# KiCad board RASBB.kicad_pcb (continued)
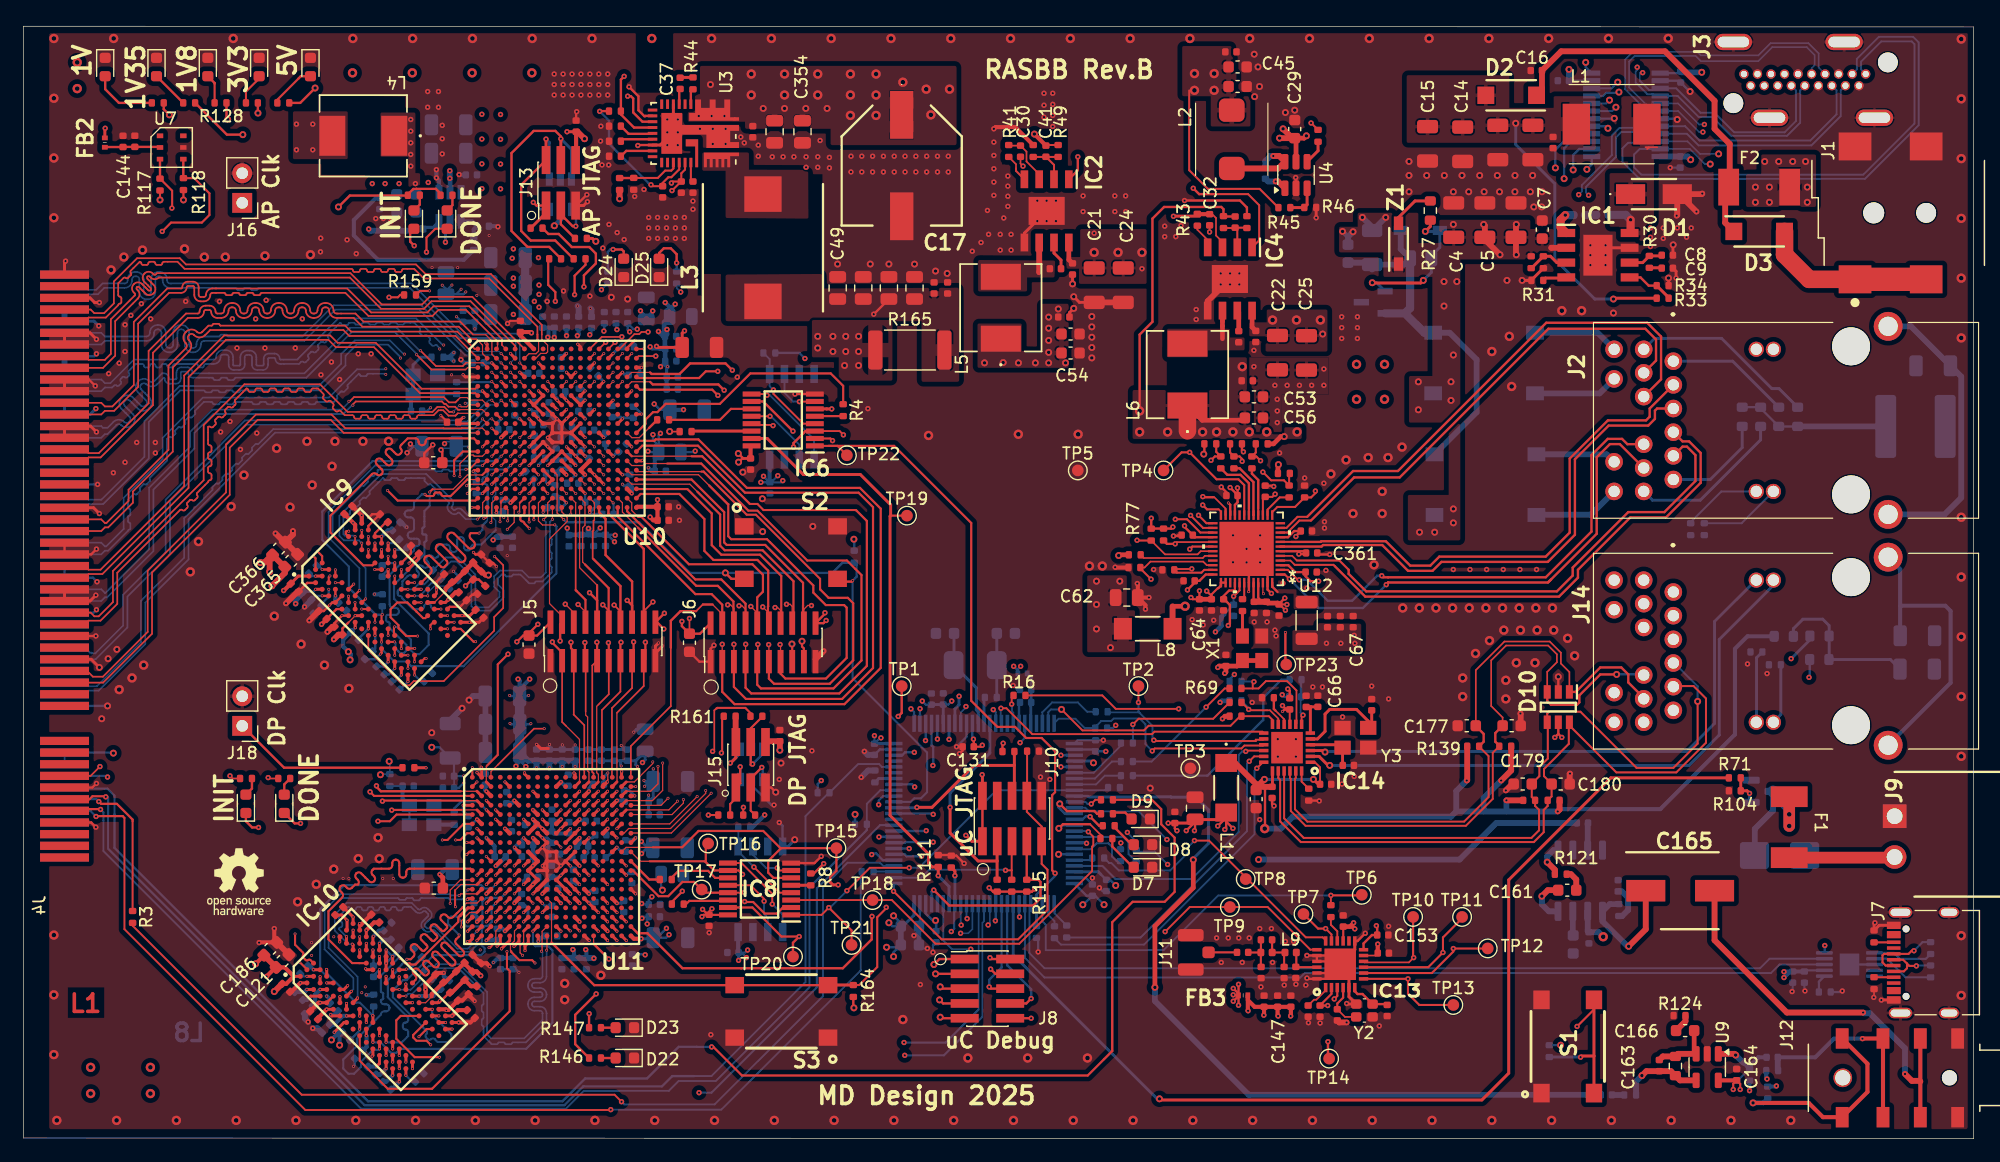
[diagram p0: board, top side]
## Routing (per net, layer and track width the routed paths; a pad name or vN(x,y) marks a point on that pad's centre or on a via; arc(x,y) is an arc through that point) (continued)
/Ethernet_FPGA/MDI3_N: length 46.2
  Top w0.17: U12.11 108.31,52.39 109.26,53.34 110.09,53.34
  Top w0.2: 110.09,53.34 114.02,57.27 117.87,57.27 130.59,69.98 139.25,69.98 140.43,68.8 140.43,65.13 J2.9
/Ethernet_FPGA/MDI3_P: length 43.1
  Top w0.17: 110.41,53.02 109.42,53.02 108.39,51.99 U12.10
  Top w0.2: J2.8 140,66.74 140,68.55 139.08,69.47 130.77,69.47 118.02,56.72 114.11,56.72 110.41,53.02
/Ethernet_FPGA/RGMII_MDC: length 73.5
  Top w0.177: v4(100.02,50.57) 100.24,50.79 U12.30 ; U11.A1 v2(38.5,31.82)
  In3.Cu w0.177: v4(100.02,50.57) 98.34,50.57 97.08,51.83 89.41,51.83 74.84,37.26 74.16,37.26 71.67,34.77 71.25,34.77 71.12,34.64 58.6,34.64 58.44,34.48 52.12,34.48 51.83,34.77 41.45,34.77 v2(38.5,31.82)
/Ethernet_FPGA/RGMII_MDIO: length 72.9
  Top w0.141: U12.31 100.96,50.39 100.69,50.12 97.9,50.12 R77.2
  Top w0.17: v4(95.5,51.33) 95.53,51.3 R77.2
  Top w0.177: U11.B1 v2(38.9,30.6)
  In3.Cu w0.177: v2(38.9,30.6) 42.47,34.17 71.69,34.17 74.19,36.67 74.98,36.67 89.64,51.33 v4(95.5,51.33)
/Ethernet_FPGA/RGMII_RXC: length 110.3
  Top w0.177: v4(30.41,27.23) 31.43,27.23 32,27.8 U11.E1 ; U12.19 104.69,56.06 104.19,56.56 102.32,56.56 v4(100.01,58.87) 99.32,58.87 TP4.1
  In3.Cu w0.177: 99.63,58.88 84.75,58.88 66.76,40.89 35.8,40.89 27.74,32.83 27.74,28.39 28.88,27.25 30.39,27.25 v4(30.41,27.23)
  In3.Cu w0.2: v4(100.01,58.87) 100,58.88 99.63,58.88
/Ethernet_FPGA/RGMII_RXD0: length 102.7
  Top w0.17: v4(106.29,57.18) 107,56.47 108.09,56.47 R63.1 108.54,57
  Top w0.177: U11.C1 30.08,29.4 v4(29.73,29.75)
  In3.Cu w0.17: v4(106.29,57.18) 102.77,57.18
  In3.Cu w0.177: 102.77,57.18 85.93,57.18 68.01,39.26 45.6,39.26 45.25,38.91 35.79,38.91 29.37,32.49 29.37,30.11 v4(29.73,29.75)
/Ethernet_FPGA/RGMII_RXD1: length 103.1
  Top w0.1: U11.C2 38.9,29.8 37.5,29.8
  Top w0.177: v4(30.28,30.27) 30.28,30.18 30.32,30.14 ; R58.1 105.68,58.85 R64.1 105.72,58.52 v4(106.09,58.15)
  Top w0.2: 30.32,30.14 30.66,29.8 37.5,29.8
  Top w0.25: U11.C2 38.9,29.8
  In3.Cu w0.177: v4(106.09,58.15) 106.29,58.15 106.97,57.47 106.97,56.94 106.75,56.72 86.49,56.72 68.16,38.39 36.03,38.39 30.02,32.38 30.02,30.53 v4(30.28,30.27)
/Ethernet_FPGA/RGMII_RXD2: length 102.9
  Top w0.1: 37.57,29 38.9,29 U11.D2
  Top w0.177: v4(30.79,28.95) 30.84,29 37.57,29 ; v4(104.51,58.1) 104.51,58.3 104.29,58.52 R65.1 103.47,58.85 R61.1
  Top w0.25: U11.D2 38.9,29
  In3.Cu w0.177: v4(30.79,28.95) 29.52,28.95 28.77,29.7 28.77,32.46 36.24,39.93 68.01,39.93 85.71,57.63 104.04,57.63 v4(104.51,58.1)
/Ethernet_FPGA/RGMII_RXD3: length 102
  Top w0.1: 37.57,28.2 38.9,28.2 U11.E2
  Top w0.177: R62.1 102.29,58.91 R66.1 102.17,58.52 v4(101.84,58.19) ; 37.57,28.2 31.61,28.2 v4(31.59,28.18)
  Top w0.25: U11.E2 38.9,28.2
  In3.Cu w0.177: v4(31.59,28.18) 29.48,28.18 28.27,29.39 28.27,32.75 35.89,40.37 67.83,40.37 85.65,58.19 v4(101.84,58.19)
/Ethernet_FPGA/RGMII_RXDV: length 97
  Top w0.1: 39.75,31.99 39.7,31.94 39.7,30.6 U11.B3
  Top w0.17: R60.2 109.05,54.19 107.53,54.19 107.09,53.75
  Top w0.177: R60.2 110.43,55 110.79,55.37 v4(110.79,55.55) ; 39.75,31.99 40.68,32.92 40.68,40.68 v4(41.56,41.56)
  Top w0.25: U11.B3 39.7,30.6
  In3.Cu w0.177: v4(110.79,55.55) 110.79,57.67 108.93,59.53 84.76,59.53 66.99,41.76 41.76,41.76 v4(41.56,41.56)
/Ethernet_FPGA/RGMII_TX_EN: length 80.1
  Top w0.1: U11.G2 v2(38.9,26.6)
  Top w0.17: U12.27 100.93,51.99 99.79,53.13 v4(98.78,53.13)
  Top w0.25: U11.G2 v2(38.9,26.6)
  In3.Cu w0.177: v2(38.9,26.6) 38.14,27.36 38.14,32.32 41.02,35.2 44.12,35.2 44.59,35.67 71.12,35.67 88.13,52.68 97.17,52.68 97.62,53.13 v4(98.78,53.13)
/Ethernet_FPGA/RGMII_TXC: length 94.8
  Top w0.1: U11.F4 v2(40.5,27.4)
  Top w0.2: v2(103.33,54.53) 103.49,54.37 U12.22
  Top w0.25: U11.F4 v2(40.5,27.4)
  In3.Cu w0.2: v2(40.5,27.4) 39.25,26.15 39.25,25.56 38.74,25.05 35.69,25.05 35.05,25.69 35.05,32.85 39.86,37.67 68.77,37.67 86.91,55.81 101.7,55.81 101.72,55.79 102.07,55.79 v2(103.33,54.53)
/Ethernet_FPGA/RGMII_TXD0: length 88.4
  Top w0.141: 103.09,53.96 103.09,54.05 102.12,55.02 102.03,55.02
  Top w0.177: v2(35.93,25.62) 36.37,25.62 37.75,27 U11.F1 ; 102.03,55.02 102,55.02 ; U12.23 103.09,53.96
  Top w0.2: 102,55.02 101.19,55.02 v4(101.14,55.07)
  In3.Cu w0.177: v2(35.93,25.62) 35.59,25.96 35.59,32.23 35.45,32.37 35.45,32.8 39.88,37.23 69.01,37.23 86.85,55.07 v4(101.14,55.07)
/Ethernet_FPGA/RGMII_TXD1: length 85.3
  Top w0.141: 102.45,53.98 102.51,53.98 102.69,53.8
  Top w0.177: 102.45,53.98 101.5,53.98 v4(101.13,54.35) ; v2(37.07,25.62) 37.47,25.62 38.05,26.2 U11.G1
  In3.Cu w0.177: v4(101.13,54.35) 100.9,54.35 100.62,54.63 87.24,54.63 69.48,36.87 40.16,36.87 36,32.71 36,26.72 37.07,25.65 v2(37.07,25.62)
/Ethernet_FPGA/RGMII_TXD2: length 82.9
  Top w0.17: v4(100.77,53.47) 101.45,52.79 U12.25
  Top w0.177: U11.H1 v2(38.02,25.4)
  In3.Cu w0.177: v2(38.02,25.4) 36.83,26.59 36.83,32.58 40.72,36.47 70.06,36.47 87.83,54.24 100,54.24 v4(100.77,53.47)
/Ethernet_FPGA/RGMII_TXD3: length 82.3
  Top w0.1: 38.91,25.79 U11.H2
  Top w0.17: v4(100.09,53.46) 101.16,52.39 U12.26
  Top w0.25: U11.H2 v2(38.9,25.8)
  In3.Cu w0.177: v4(100.09,53.46) 99.73,53.82 88.31,53.82 70.61,36.12 41.43,36.12 37.3,31.99 37.3,27.4 38.91,25.79
/Ethernet_uC/ETH_RESET: length 21.1
  Top w0.16: IC14.15 106.29,33.72 104.7,33.72 104.45,33.47 97.01,33.47 v4(96.8,33.26)
  Bottom w0.16: 91.91,35.31 92.42,35.82 93.27,35.82 93.49,36.04 95.72,36.04 96.22,35.54 96.22,33.84 v4(96.8,33.26) ; IC12.25 88.77,36.02 90.22,36.02 91.02,35.22 R75.2
/Ethernet_uC/LED_GR_ETH: length 49.6
  Top w0.25: IC14.3 111.5,33.29 v1(111.62,33.16)
  Bottom w0.25: v1(111.62,33.16) 111.62,33.22 142.62,33.22 145.02,35.62 145.02,44.37 148.62,47.97
/Ethernet_uC/LED_YL_ETH: length 51.3
  Top w0.25: IC14.2 111.11,32.79 111.88,32.02 v1(112.02,32.02)
  Bottom w0.25: 150.09,47.49 145.42,42.82 145.42,34.62 142.82,32.02 v1(112.02,32.02)
/Ethernet_uC/RMII_CRS_DV: length 10.7
  Top w0.16: v4(95.14,35.53) 95.63,36.02 102.03,36.02 R70.2
  Bottom w0.16: v4(95.14,35.53) R20.1
/Ethernet_uC/RMII_MDC: length 24.8
  Top w0.16: v4(83.83,36.92) 84.3,36.92 86.52,34.7 96.78,34.7 96.99,34.91 106.24,34.91 IC14.13
  Bottom w0.16: 83.81,35.7 83.81,36.9 v4(83.83,36.92)
/Ethernet_uC/RMII_MDIO: length 21.9
  Top w0.16: v1(89.02,36.82) 90.82,35.02 96.09,35.02 96.49,35.42 103.52,35.42 104.34,36.24 ; IC14.12 107.11,35.93 106.8,36.24 R136.1
  Bottom w0.16: IC12.24 87.88,36.58 88.12,36.82 v1(89.02,36.82)
/Ethernet_uC/RMII_REFCLK: length 17.5
  Top w0.16: v4(96.94,34.18) 97.01,34.11 105.68,34.11 105.68,34.22 106.29,34.22 IC14.14 ; TP2.1 v4(95.62,37.42)
  Bottom w0.16: 95.75,36.49 96.82,35.42 96.82,34.3 v4(96.94,34.18) ; 95.75,36.49 95.67,36.57 93.02,36.57 ; 95.75,36.49 95.62,36.62 v4(95.62,37.42)
/Ethernet_uC/RMII_RXD0: length 10.9
  Top w0.16: v4(101.42,37.02) 103.02,38.62 R69.1
  Bottom w0.16: R23.1 96.75,32.35 v4(101.42,37.02)
/Ethernet_uC/RMII_RXD1: length 18
  Bottom w0.2: R24.1 101.54,31.14 106.32,35.92 106.32,37.82 107.87,39.37 108.59,39.37
/Ethernet_uC/RMII_TX_EN: length 25.1
  Top w0.16: v4(104.82,33.22) 104.89,33.29 IC14.16
  Bottom w0.16: v4(104.82,33.22) 104.52,33.22 104.22,32.92 104.22,26.32 100.17,22.27 94.32,22.27
  Bottom w0.177: 94.32,22.27 93.65,22.27 92.53,23.39 IC12.47
/Ethernet_uC/RMII_TXD0: length 26.7
  Top w0.16: IC14.17 105.54,32.79 v4(105.12,32.37)
  Bottom w0.16: v4(105.12,32.37) 104.92,32.17 104.92,26.37 95.81,17.26 R19.1
/Ethernet_uC/RMII_TXD1: length 27.8
  Top w0.16: v4(105.77,31.77) 106.29,32.29
  Bottom w0.16: R17.1 88.97,16.65 96.1,16.65 105.57,26.12 105.57,31.57 v4(105.77,31.77)
/Ethernet_uC/RX_N: length 55.8
  Top w0.139: D10.3 130.67,40.04 131.5,40.87 131.5,41.55 130.75,42.3 127.14,42.3 125.87,41.02 125.87,37.11 126.84,36.13 C178.1
  Top w0.16: R140.1 126,33.1 126,29.15 123.69,26.84 109.95,26.84 108.68,28.11 108.68,30.87 108.61,30.94 IC14.22
  Top w0.2: C178.1 126.22,34.79 126.22,34.05 126.56,33.71 ; v1(136.62,39.82) 135.22,39.82 133.42,38.02 133.42,37.42 133.22,37.22 131,37.22 130.67,37.54 D10.3
  Bottom w0.2: v1(136.62,39.82) 136.62,39.82 138.97,39.82
/Ethernet_uC/RX_P: length 54
  Top w0.139: 124.54,35.42 124.54,40.19 127,42.64 130.89,42.64 131.84,41.69 131.84,40.76 132.57,40.03 D10.1
  Top w0.16: IC14.23 109.11,30.94 109.04,30.87 109.04,28.25 110.09,27.2 123.55,27.2 125.64,29.29 125.64,32.82 124.83,33.63
  Top w0.2: 138.97,37.78 137.62,39.13 137.62,39.82 137.02,40.42 135.22,40.42 133.12,38.32 D10.1 ; R139.1 125.22,34.05 125.22,34.72 124.54,35.39
/Ethernet_uC/TX_N: length 59.9
  Top w0.17: 132.57,35.44 136.59,31.42 141.74,31.42 144.28,33.97 144.28,37.76 143.22,38.82 141.51,38.82 ; 131.04,30.44 130.4,31.09 130.4,31.71 131.75,33.06 131.75,33.09 132.52,33.87 132.52,35.2 132.57,35.25 ; C180.1 131.04,29.35 R142.1 130.71,28.54 130.37,28.2 130.37,26.29 129.52,25.44 109.55,25.44 107.77,27.22 107.77,30.78 107.61,30.94 IC14.20
/Ethernet_uC/TX_P: length 60.9
  Top w0.17: 129.34,30.44 130,31.09 130,31.88 130.72,32.6 130.72,35.32 ; D10.4 130.67,36.46 130.82,36.62 133.52,36.62 138.34,31.8 141.49,31.8 143.57,33.89 v1(143.57,37.51) ; IC14.21 108.11,27.48 109.79,25.8 129.32,25.8 129.97,26.45 129.97,28.2 129.63,28.54 R141.1 129.34,29.3 C179.1
  Bottom w0.17: v1(143.57,37.51) 143.57,38.8 141.51,40.85
/FPGA-01/BANK0/FPGA1_DONE: length 80.1
  Top w0.2: v4(33.52,76.59) 33.17,76.94 33.17,77.72 D13.1
  Top w0.35: U10.P10 v2(46.57,56.94)
  In4.Cu w0.177: v4(85.47,33.97) 85.15,33.97 71.45,47.66 71.45,48 63.76,55.69 61.47,55.69 61.02,56.14 51.85,56.14 51.51,56.48 47.7,56.48 47.37,56.14 v2(46.57,56.94)
  In4.Cu w0.2: v2(46.57,56.94) 46.12,57.39 46.12,65.08 44.15,67.06 44.15,69.39 39.18,74.36 37.1,74.36 36.89,74.57 36.89,74.57 34.87,76.59 v4(33.52,76.59)
  Bottom w0.177: v4(85.47,33.97) 85.88,34.38 IC12.20
/FPGA-01/BANK0/FPGA1_INIT: length 28.7
  Top w0.177: D15.1 35.32,78.04 34.57,77.29 v4(34.57,76.04)
  Top w0.2: U10.P7 v2(44.17,56.94)
  In4.Cu w0.141: 36.82,73.57 38.5,73.57 38.5,73.57 39.07,73.57 40.62,72.02 40.62,69.28 44.52,65.38 44.52,57.29 v2(44.17,56.94)
  In4.Cu w0.177: v4(34.57,76.04) 34.57,75.72 36.72,73.57 36.82,73.57
/FPGA-01/BANK0/FPGA1_TDO: length 13.9
  Top w0.1: U10.E13 v2(48.97,64.94)
  Top w0.25: R154.2 48.79,77.22 49.04,76.97 v1(49.09,76.97)
  In3.Cu w0.1: 49.12,69.82 49.09,69.79 49.09,67.66 49.31,67.44 49.31,65.28 v2(48.97,64.94)
  In3.Cu w0.2: 49.12,69.82 49.37,70.07 49.37,71.52 49.09,71.8 49.09,71.86
  In3.Cu w0.25: v1(49.09,76.97) 49.09,71.86
/FPGA-01/BANK0/JTAG1_TCK: length 11.9
  Top w0.1: U10.E10 v2(46.57,64.94)
  Top w0.186: v4(45.62,71.82) 45.62,72.62 45.01,73.23 45.01,75.39 R155.2
  In3.Cu w0.1: v2(46.57,64.94) 46.05,65.46 46.05,68.41
  In3.Cu w0.186: 46,69.12 45.62,69.5 v4(45.62,71.82)
  In3.Cu w0.2: 46,68.29 46,69.12
/FPGA-01/BANK0/JTAG1_TDI: length 12
  Top w0.1: U10.E11 v2(47.37,64.94)
  Top w0.186: 48.21,75.46 48.21,74.96 47.27,74.02 v4(47.27,72.39)
  In3.Cu w0.1: 47.05,67.58 47.76,66.87 47.76,65.35 47.35,64.94
  In3.Cu w0.2: 47.05,67.58 47.05,72.17 v4(47.27,72.39)
/FPGA-01/BANK0/JTAG1_TMS: length 17.5
  Top w0.1: U10.E12 v2(48.17,64.94)
  Top w0.2: v4(48.07,73.07) 48.07,74.05 49.09,75.07 49.09,75.91 48.53,76.48 47.03,76.48 45.91,77.6 45.02,77.6 R152.2
  In3.Cu w0.1: 48.24,68.21 48.23,68.2 48.23,65 v2(48.17,64.94)
  In3.Cu w0.186: 48.24,68.21 48.07,68.38 v4(48.07,73.07)
/FPGA-01/BANK0/TCK_1: length 23
  Top w0.2: R155.1 45.09,76.49 43.23,76.49 41.86,77.86 41.86,84.54 43.76,86.44 45.62,86.44 46.09,85.97 v4(46.09,85.77)
  Top w0.25: v4(46.09,85.77) J13.4
  Bottom w0.25: v4(46.09,85.77) 47,84.86 D11.6
/FPGA-01/BANK0/TDI_1: length 17.8
  Top w0.2: J13.2 42.69,81.81 42.69,77.86 43.51,77.04 45.61,77.04 47.19,75.46
  Top w0.25: v4(44.82,85.74) J13.2
  Bottom w0.25: v4(44.82,85.74) 45.1,85.46 D11.4
/FPGA-01/BANK0/TDO_1: length 7.4
  Top w0.2: v4(47.37,78.27) 47.1,78.27 46.09,79.28 J13.3 46.09,78.43 R154.1
  Bottom w0.2: v4(47.37,78.27) 47.39,78.29 47.39,79.32 D11.1
/FPGA-01/BANK0/TMS_1: length 5.3
  Top w0.2: v4(43.73,80.31) 44,80.04 J13.1
  Top w0.25: R152.1 43.51,78.1 44.82,79.41 J13.1
  Bottom w0.2: D11.3 44.33,79.71 v4(43.73,80.31)
/FPGA-01/F1_B15_C15: length 98.7
  Top w0.1: U10.C15 v2(50.57,66.54)
  In4.Cu w0.1: 53.77,68.49 53.66,68.6 53.48,68.6 52.89,68.02 52.89,67.62 52.22,66.94 50.97,66.94 v2(50.57,66.54)
  In4.Cu w0.2: v1(131.37,83.27) 129.94,81.84 115.72,81.84 114.47,80.59 103.69,80.59 93.4,70.29 93.4,67.14 91.12,64.87 69.75,64.87 66.19,68.42 53.84,68.42 53.77,68.49
  Bottom w0.2: IC11.4 132.75,86.19 131.37,84.82 v1(131.37,83.27)
/FPGA-01/F1_B15_D15: length 100.3
  Top w0.1: U10.D15 v2(50.57,65.74)
  In4.Cu w0.1: 56,67.74 54.88,66.63 51.46,66.63 v2(50.57,65.74)
  In4.Cu w0.2: 56,67.74 56.17,67.92 65.32,67.92 68.97,64.27 91.5,64.27 94.5,67.27 94.5,69.84 101.02,76.37 128.82,76.37 130.79,78.34 130.79,81.07 132.07,82.34 v1(132.12,82.34)
  Bottom w0.2: v1(132.12,82.34) 132.12,84.94 132.72,85.54 IC11.3
/FPGA-01/F1_B15_E15: length 103.5
  Top w0.1: U10.E15 v2(50.57,64.94)
  In4.Cu w0.1: 56.72,66.55 56.68,66.55 55.39,65.26 50.89,65.26 v2(50.57,64.94)
  In4.Cu w0.2: 56.72,66.55 57.39,67.22 64.71,67.22 68.31,63.62 93.34,63.62 95.47,65.74 95.47,67.99 100.19,72.72 131.65,72.72 133.32,74.39 133.32,79.32 132.9,79.74 v1(132.9,83.09)
  Bottom w0.2: v1(132.9,83.09) 132.9,84.37 133.42,84.89 IC11.2
/FPGA-01/F1_B15_E16: length 107
  Top w0.1: U10.E16 v2(51.37,64.94)
  In4.Cu w0.1: v2(51.37,64.94) 51.56,64.75 55.4,64.75 57.02,66.37 57.09,66.37
  In4.Cu w0.2: v1(134.07,83.14) 134.07,82.74 136.52,80.29 136.52,73.82 134.75,72.04 100.75,72.04 100.07,71.37 100.07,71.37 97.44,68.74 97.44,65.67 93.22,61.44 76.22,61.44 74.52,63.14 67.87,63.14 64.65,66.37 57.09,66.37
  Bottom w0.2: IC11.1 134.48,83.56 v1(134.07,83.14)
/FPGA-01/FPGA1_CLK: length 13.9
  Top w0.1: U10.E9 v2(44.97,64.94)
  Top w0.141: v1(55.42,60.66) 55.43,60.65 R1.1
  In3.Cu w0.141: v2(44.97,64.94) 45.18,65.14 45.37,65.14 46.79,63.72 52.52,63.72 55.42,60.82 v1(55.42,60.66)
/FPGA-01/FPGA1_MISO: length 22.1
  Top w0.186: R4.1 70.3,64.57 69.23,65.64 62.34,65.64 59.73,63.03 55.08,63.03 54.37,62.32 54,62.32 53.35,61.67 53.35,61.32 U10.K18
/FPGA-01/FPGA1_MOSI: length 3.4
  Top w0.1: U10.K17 52.18,60.13 52.82,60.13 53.65,60.96
  Top w0.2: 53.65,60.96 R2.1
/FPGA-01/FPGA1_PROG: length 60.5
  Top w0.1: v2(46.33,53.11) 45.77,53.67 45.77,56.94 45.62,57.09
  Top w0.2: 70.06,47.78 71.03,47.78 v2(71.11,47.86) ; S2.3 60.71,48.02 v1(60.2,48.53) ; 45.62,57.09 U10.P9
  Bottom w0.177: IC12.90 76.09,28.89 76.4,29.19 76.97,29.19 77.5,29.72 77.5,33.11 71.11,39.5 v2(71.11,47.86)
  Bottom w0.186: 53.08,52.6 52.81,52.87 46.57,52.87 46.39,53.05
  Bottom w0.2: v2(71.11,47.86) 71.45,48.2 71.45,49.21 R156.2 70.25,49.41 69.37,48.53 v1(60.2,48.53) 57.15,48.53 53.08,52.6 ; v2(46.33,53.11) 46.39,53.05
/FPGA-02/BANK0/FPGA2_DONE: length 82.3
  Top w0.141: 45.7,20.59 46.09,20.2
  Top w0.2: D14.1 23.27,27.04 v4(23.77,27.04)
  Top w0.25: U11.P10 v2(46.1,20.2)
  Top w0.35: U11.P10 45.7,20.59 ; 46.09,20.2 v2(46.1,20.2)
  In3.Cu w0.177: v2(46.1,20.2) 46.52,19.78 46.52,14.2 56.78,3.94 v4(57.94,3.94)
  In4.Cu w0.141: v2(46.1,20.2) 46.09,20.2 46.09,20.55 45.78,20.87 45.78,22.59 43.75,24.62 40.37,24.62 39.97,25.02 27.9,25.02 25.87,27.04 v4(23.77,27.04)
  Bottom w0.177: IC12.86 73.46,26.89 68.04,21.47 68.04,12.98 59,3.94 v4(57.94,3.94)
/FPGA-02/BANK0/FPGA2_INIT: length 31.2
  Top w0.2: v2(43.7,20.2) U11.P7 ; D16.1 19.08,27.23 19.62,26.69 v4(20.17,26.69)
  In4.Cu w0.141: v4(20.17,26.69) 22.12,24.74 39.61,24.74 40.11,24.24 43.37,24.24 44.02,23.59 44.02,20.52 v2(43.7,20.2)
/FPGA-02/BANK0/FPGA2_TDO: length 14.7
  Top w0.177: R162.2 61.73,28.4 v4(61.75,28.42)
  Top w0.25: U11.E13 v2(48.5,28.2)
  In3.Cu w0.177: v2(48.5,28.2) 48.9,28.6 61.56,28.6 v4(61.75,28.42)
/FPGA-02/BANK0/JTAG2_TCK: length 25.8
  Top w0.141: 59.46,36.9 59.41,36.9 59.25,36.74 59.25,33.37 v4(59.1,33.22)
  Top w0.177: R163.2 62.35,36.51 61.91,36.95 59.51,36.95 59.46,36.9
  Top w0.25: U11.E10 v2(46.1,28.2)
  In3.Cu w0.141: v2(46.1,28.2) 45.69,28.61 45.69,32.23 46.53,33.07 58.95,33.07 v4(59.1,33.22)
/FPGA-02/BANK0/JTAG2_TDI: length 21.7
  Top w0.1: U11.E11 v2(46.9,28.2)
  Top w0.177: 59.92,36.09 59.92,33.15 v4(59.86,33.09)
  Top w0.25: U11.E11 v2(46.9,28.2)
  In3.Cu w0.141: 46.77,31.89 46.52,31.64 46.52,28.82 46.9,28.44 v2(46.9,28.2)
  In3.Cu w0.177: 46.77,31.89 47.6,32.72 59.49,32.72 v4(59.86,33.09)
/FPGA-02/BANK0/JTAG2_TMS: length 13.2
  Top w0.1: U11.E12 v2(47.7,28.2)
  Top w0.177: v4(58.74,27.76) R160.2
  Top w0.25: U11.E12 v2(47.7,28.2)
  In3.Cu w0.177: v4(58.74,27.76) 58.72,27.78 48.12,27.78 v2(47.7,28.2)
/FPGA-02/BANK0/TCK_2: length 5.8
  Top w0.177: J15.4 62.37,35.2 63.37,36.2
  Top w0.2: 62.42,32.02 62.37,32.07 J15.4
  Bottom w0.2: v4(62.53,32.13) 63.4,33
/FPGA-02/BANK0/TDI_2: length 5.4
  Top w0.25: v4(60.62,32.22) 60.65,32.22 61.1,32.67 J15.2
  Top w0.5: R161.1 61.08,34.04
  Bottom w0.25: 61.5,33.1 v4(60.62,32.22)
/FPGA-02/BANK0/TDO_2: length 4.9
  Top w0.177: J15.3 62.37,28.14 R162.1
  Top w0.2: v4(63.32,31.84) 62.37,30.89
  Bottom w0.2: v4(63.32,31.84) 63.4,31.76 D12.1
/FPGA-02/BANK0/TMS_2: length 4.7
  Top w0.177: 61.1,29.2 60.61,28.71 R160.1
  Top w0.2: v4(61.47,31.89) 61.47,30.49 J15.1
  Bottom w0.2: D12.3 61.5,31.86 v4(61.47,31.89)
/FPGA-02/F2_B14_P15: length 34.9
  Top w0.1: U11.P15 v2(50.1,20.2)
  Top w0.25: U11.P15 v2(50.1,20.2)
  In4.Cu w0.2: v4(76.4,33.14) 76.4,32.8 76.11,32.51 68.09,32.51 67.21,31.63 65.91,31.63 65.9,31.64 64.58,31.64 63.32,30.38 60.28,30.38 v2(50.1,20.2)
  Bottom w0.2: IC12.98 75.36,32.89 75.61,33.14 v4(76.4,33.14)
/FPGA-02/F2_B14_R15: length 36.9
  Top w0.1: U11.R15 v2(50.1,19.4)
  Top w0.25: U11.R15 v2(50.1,19.4)
  In4.Cu w0.2: v2(50.1,19.4) 50.53,19.83 51.07,19.83 52.15,20.91 52.15,21.15 58.07,27.07 63.66,27.07 68.7,32.11 76.56,32.11 77.36,32.91 v4(77.36,34.15)
  Bottom w0.2: IC12.3 77.38,34.17 v4(77.36,34.15)
/FPGA-02/F2_B14_R16: length 39.6
  Top w0.1: U11.R16 50.9,19.4
  Top w0.25: U11.R16 50.9,19.4
  In3.Cu w0.2: v2(50.91,19.4) 53.39,19.4 54.29,18.49 54.95,18.49 54.96,18.5 55.33,18.5 55.34,18.49 64.21,18.49 72.33,26.61 72.33,29.63 74.71,32.01 v4(77.99,32.01)
  Bottom w0.2: IC12.4 77.88,33.74 78.02,33.6 78.02,32.04 v4(77.99,32.01)
/FPGA-02/F2_B14_T15: length 37.8
  Top w0.1: U11.T15 v2(50.1,18.6)
  Top w0.25: U11.T15 v2(50.1,18.6)
  In4.Cu w0.1: 51.31,19.14 51.26,19.1 50.96,19.1 50.46,18.6 50.28,18.6
  In4.Cu w0.2: 51.31,19.14 58.88,26.72 63.77,26.72 68.65,31.59 76.68,31.59 78.38,33.3 v4(78.38,34.28) ; v2(50.1,18.6) 50.28,18.6
  Bottom w0.2: IC12.5 v4(78.38,34.28)
/FPGA-02/F2_B14_T16: length 47.9
  Top w0.1: U11.T16 v2(50.9,18.6)
  Top w0.25: U11.T16 v2(50.9,18.6)
  In4.Cu w0.186: v4(88.97,32.89) 88.96,32.9 81.25,32.9 79.62,31.27 72.76,31.27 71.99,30.5 70.76,30.5 70.76,30.5 70.26,30.5 65.07,25.31 58.9,25.31 55.5,21.91 55.5,20.29 54.78,19.57 53.07,19.57 52.6,19.1 52.6,18.65 52.04,18.09 51.41,18.09 v2(50.9,18.6)
  Bottom w0.186: v4(88.97,32.89) IC12.28
/FPGA-02/F2_B14_U14: length 48.4
  Top w0.1: v2(49.3,17.8) U11.U14
  Top w0.25: U11.U14 v2(49.3,17.8)
  In4.Cu w0.186: 54.52,13.72 55.96,13.72 61.43,8.25 v4(75.52,8.25) ; 50.16,16.09 50.89,15.36 50.92,15.36
  In4.Cu w0.2: 50.16,16.09 49.3,16.95 v2(49.3,17.8) ; 54.52,13.72 53.42,13.72 51.78,15.36 50.92,15.36
  Bottom w0.141: 81.88,11.04 81.92,11.08 81.92,20.11
  Bottom w0.186: v4(75.52,8.25) 75.53,8.24 79.08,8.24 81.88,11.04
/FPGA-02/F2_B14_U16: length 47.7
  Top w0.1: U11.U16 v2(50.9,17.8)
  Top w0.25: U11.U16 v2(50.9,17.8)
  In4.Cu w0.1: v2(50.9,17.8) 50.9,17.79 51.27,17.42 52.58,17.42 52.72,17.56 52.91,17.56 53.11,17.76 53.15,17.76
  In4.Cu w0.186: 56.05,21.83 56.05,21.89 56.2,22.04
  In4.Cu w0.2: 53.15,17.76 53.9,17.76 56.05,19.91 56.05,21.83 ; v4(88.97,31.89) 88.96,31.9 80.71,31.9 79.73,30.92 73.37,30.92 72.48,30.03 71.31,30.03 66.19,24.91 59.07,24.91 56.2,22.04
  Bottom w0.2: v4(88.97,31.89) IC12.30
/FPGA-02/F2_B14_V14: length 49.3
  Top w0.1: 48.9,16.71 U11.V14
  Top w0.2: v4(50.21,15.41) 48.9,16.71
  In4.Cu w0.2: v4(75.58,7.15) 75.3,6.87 58.77,6.87 50.23,15.41 v4(50.21,15.41)
  Bottom w0.141: IC12.63 82.38,18.66 82.23,18.51 82.23,10.44
  Bottom w0.177: 82.23,10.44 78.94,7.15 v4(75.58,7.15)
/FPGA-02/F2_B14_V15: length 37.2
  Top w0.1: U11.V15 v2(50.1,17)
  Top w0.25: U11.V15 v2(50.1,17)
  In4.Cu w0.186: 50.27,16.82 51.28,15.81 51.36,15.81 ; v4(80.37,17.62) 80.36,17.62 79.68,18.3 78.54,18.3 78.23,17.99 61.12,17.99 58.77,15.64
  In4.Cu w0.2: 51.36,15.81 52.29,15.81 53.08,15.02 58.15,15.02 58.77,15.64 ; 50.27,16.82 50.27,16.83 v2(50.1,17)
  Bottom w0.141: IC12.65 81.38,17.98 81.02,17.62 v4(80.37,17.62)
/FPGA-02/F2_B14_V16: length 31
  Top w0.25: U11.V16 v2(50.9,17)
  In4.Cu w0.2: v2(50.9,17) 51.62,16.28 56.42,16.28 57.58,17.44 57.58,21.58 59.98,23.98 66.78,23.98 68.68,25.88 v4(73.37,25.88)
  Bottom w0.2: IC12.84 73.38,25.89 v4(73.37,25.88)
/FPGA-02/F2_B14_V17: length 36
  Top w0.1: U11.V17 v2(51.7,17)
  Top w0.25: U11.V17 v2(51.7,17)
  In4.Cu w0.186: 52.47,16.69 51.99,16.69
  In4.Cu w0.2: 52.47,16.69 56.01,16.69 57.19,17.87 57.19,21.87 59.75,24.43 66.33,24.43 67.08,25.18 67.08,25.18 71.46,29.56 76.21,29.56 76.43,29.78 v4(76.43,30.17) ; v2(51.7,17) 51.99,16.71
  Bottom w0.2: v4(76.43,30.17) 76.21,30.39 IC12.93
/FPGA-02/FPGA2_PROG: length 50.3
  Top w0.1: 45.29,16.83 45.29,20.21 U11.P9
  Top w0.177: R164.2 71.68,13.18 73.22,14.72 73.22,18.99 74,19.77 v4(74,19.84)
  Top w0.2: 45.29,16.83 48.95,13.17 S3.4 S3.3
  Top w0.25: R164.2 69.01,13.18
  In3.Cu w0.177: v4(73.34,28.64) 73.34,27.42 74,26.77 v4(74,19.84)
  Bottom w0.177: v4(73.34,28.64) 73.34,29.01 73.73,29.39 IC12.91
/HDMI/HDMI_5V: length 8.1
  In6.Cu w0.5: J3.18 145.07,90.32 v1(143.92,91.47)
  Bottom w0.2: 141.97,91.39 IC11.13
  Bottom w0.5: C124.1 142.2,91.47 v1(143.92,91.47)
/HDMI/HDMI_CEC_B: length 26.5
  In2.Cu w0.17: 151.02,91.47 149.57,92.92 135.72,92.92 134.43,91.63 134.43,87.84 134.86,87.41 135.43,87.41 136.49,88.47 v1(136.56,88.47)
  Bottom w0.17: v1(136.56,88.47) 136.23,88.14 IC11.7
/HDMI/HDMI_CLK_N: length 136.3
  Top w0.141: v4(49.93,68.31) 49.37,67.75
  In3.Cu w0.141: v4(138.85,91.44) 138.85,92.89 138.42,93.32 119.05,93.32 113.2,87.47 113.2,82.44 112.22,81.47 101.67,81.47 100.1,83.04 97.69,83.04 96.97,82.32 96.97,74.82 92.57,70.42 92.57,66.47 91.32,65.22 69.82,65.22 64.33,70.71 55.14,70.71 54.7,70.27 51.17,70.27 50.21,69.31 50.21,68.59 v4(49.93,68.31)
  Bottom w0.139: v4(138.85,91.44) 138.63,91.44 138.61,91.42 138.61,90.74
  Bottom w0.16: 139.7,89.95 139.4,89.95 138.61,90.74 ; J3.12 152,89.92 152,87.29 151.03,86.32 146.7,86.32 145.02,88 143.81,88 141.72,90.09 140.87,90.09
/HDMI/HDMI_CLK_P: length 136.9
  Top w0.141: v4(51.32,68.78) 51.31,68.77 49.6,68.77 U10.A13
  In3.Cu w0.141: v4(138.39,91.9) 138.39,92.6 138.07,92.92 119.14,92.92 113.54,87.32 113.54,82.3 112.37,81.12 101.52,81.12 99.92,82.72 97.82,82.72 97.27,82.17 97.27,74.54 92.94,70.22 92.94,66.46 91.4,64.92 69.74,64.92 64.29,70.37 55.28,70.37 54.84,69.93 51.73,69.93 51.5,69.7 51.5,68.96 v4(51.32,68.78)
  Bottom w0.139: 138.25,90.6 138.25,91.54 138.39,91.68 v4(138.39,91.9)
  Bottom w0.16: 139.7,89.59 139.26,89.59 138.25,90.6 ; 140.87,89.44 141.84,89.44 143.65,87.64 144.83,87.64 146.45,86.02 151.23,86.02 152.36,87.15 152.36,89.92 J3.10
/HDMI/HDMI_D0_N: length 146.7
  Top w0.141: v2(52.17,67.34) U10.B17
  In3.Cu w0.1: 53.42,66.31 53.42,66.33 52.41,67.34 v2(52.17,67.34)
  In3.Cu w0.141: 53.42,66.31 54.61,65.12 56.82,65.12 59.02,62.92 64.8,62.92 66.2,61.52 92.79,61.52 96.77,65.5 96.77,70.07 99.01,72.32 134.82,72.32 135.32,72.82 142.17,72.82 147.09,77.74 147.09,85.22 145.4,86.9 144.24,86.9 v4(144.15,86.99)
  Bottom w0.141: J3.9 153.34,91.81 153.6,92.07 153.6,92.95 152.92,93.62 149.97,93.62 148.76,92.42 143.85,92.42 143.4,92.87 138.17,92.87 137.69,92.39 137.69,90.17 139.22,88.64 139.69,88.64 ; v4(144.15,86.99) 143.69,86.99 141.9,88.79 IC11.17
/HDMI/HDMI_D0_P: length 148.3
  Top w0.1: U10.B16 v2(51.37,67.34)
  In3.Cu w0.1: 53.77,66.39 52.39,67.77 51.79,67.77 51.37,67.34 v2(51.37,67.34)
  In3.Cu w0.141: v4(144.02,86.34) 144.24,86.56 145.26,86.56 146.75,85.07 146.75,77.9 141.94,73.09 135.09,73.09 134.67,72.67 98.88,72.67 96.42,70.22 96.42,65.64 92.65,61.87 66.34,61.87 64.94,63.27 59.17,63.27 56.97,65.47 54.68,65.47 53.77,66.38 53.77,66.39
  Bottom w0.141: 139.69,88.3 139.07,88.3 137.35,90.02 137.35,92.55 138.02,93.22 143.54,93.22 143.84,92.92 148.78,92.92 149.82,93.97 153.07,93.97 153.94,93.09 153.94,91.88 J3.7 ; IC11.18 141.9,88.14 143.69,86.34 v4(144.02,86.34)
/HDMI/HDMI_D1_N: length 125.5
  Top w0.141: U10.A16 51.12,67.74 52.4,69.01 52.82,69.01 53,69.19 v4(53.57,69.19)
  In3.Cu w0.141: v4(53.57,69.19) 53.9,69.19 54.28,68.81 54.64,68.81 54.64,68.82 63.92,68.82 68.2,64.54 91.54,64.54 94.02,67.02 94.02,70.62 100.34,76.94 131.97,76.94 133.65,78.62 133.65,80.69 v4(133.37,80.97)
  Bottom w0.141: v4(133.37,80.97) 133.64,81.24 133.64,81.27
  Bottom w0.16: J3.6 155.48,89.92 155.48,87.86 153.24,85.62 143.72,85.62 142.5,86.84 IC11.20 139.25,86.84 139.11,86.7 136.88,86.7 136.21,86.03 136.21,84.36 133.64,81.79 133.64,81.27
/HDMI/HDMI_D1_P: length 126.7
  Top w0.141: v4(50.74,68.31) U10.A15
  In3.Cu w0.141: v4(50.74,68.31) 51.74,68.31 52.32,68.89 53.27,68.89 53.67,68.49 63.45,68.49 67.74,64.2 91.9,64.2 94.44,66.74 94.44,70.37 100.67,76.6 132.12,76.6 134.22,78.7 v4(134.22,80.92)